# Altium PCB 2015_BeaconEye.PcbDoc (part 1 of 2) (continued)
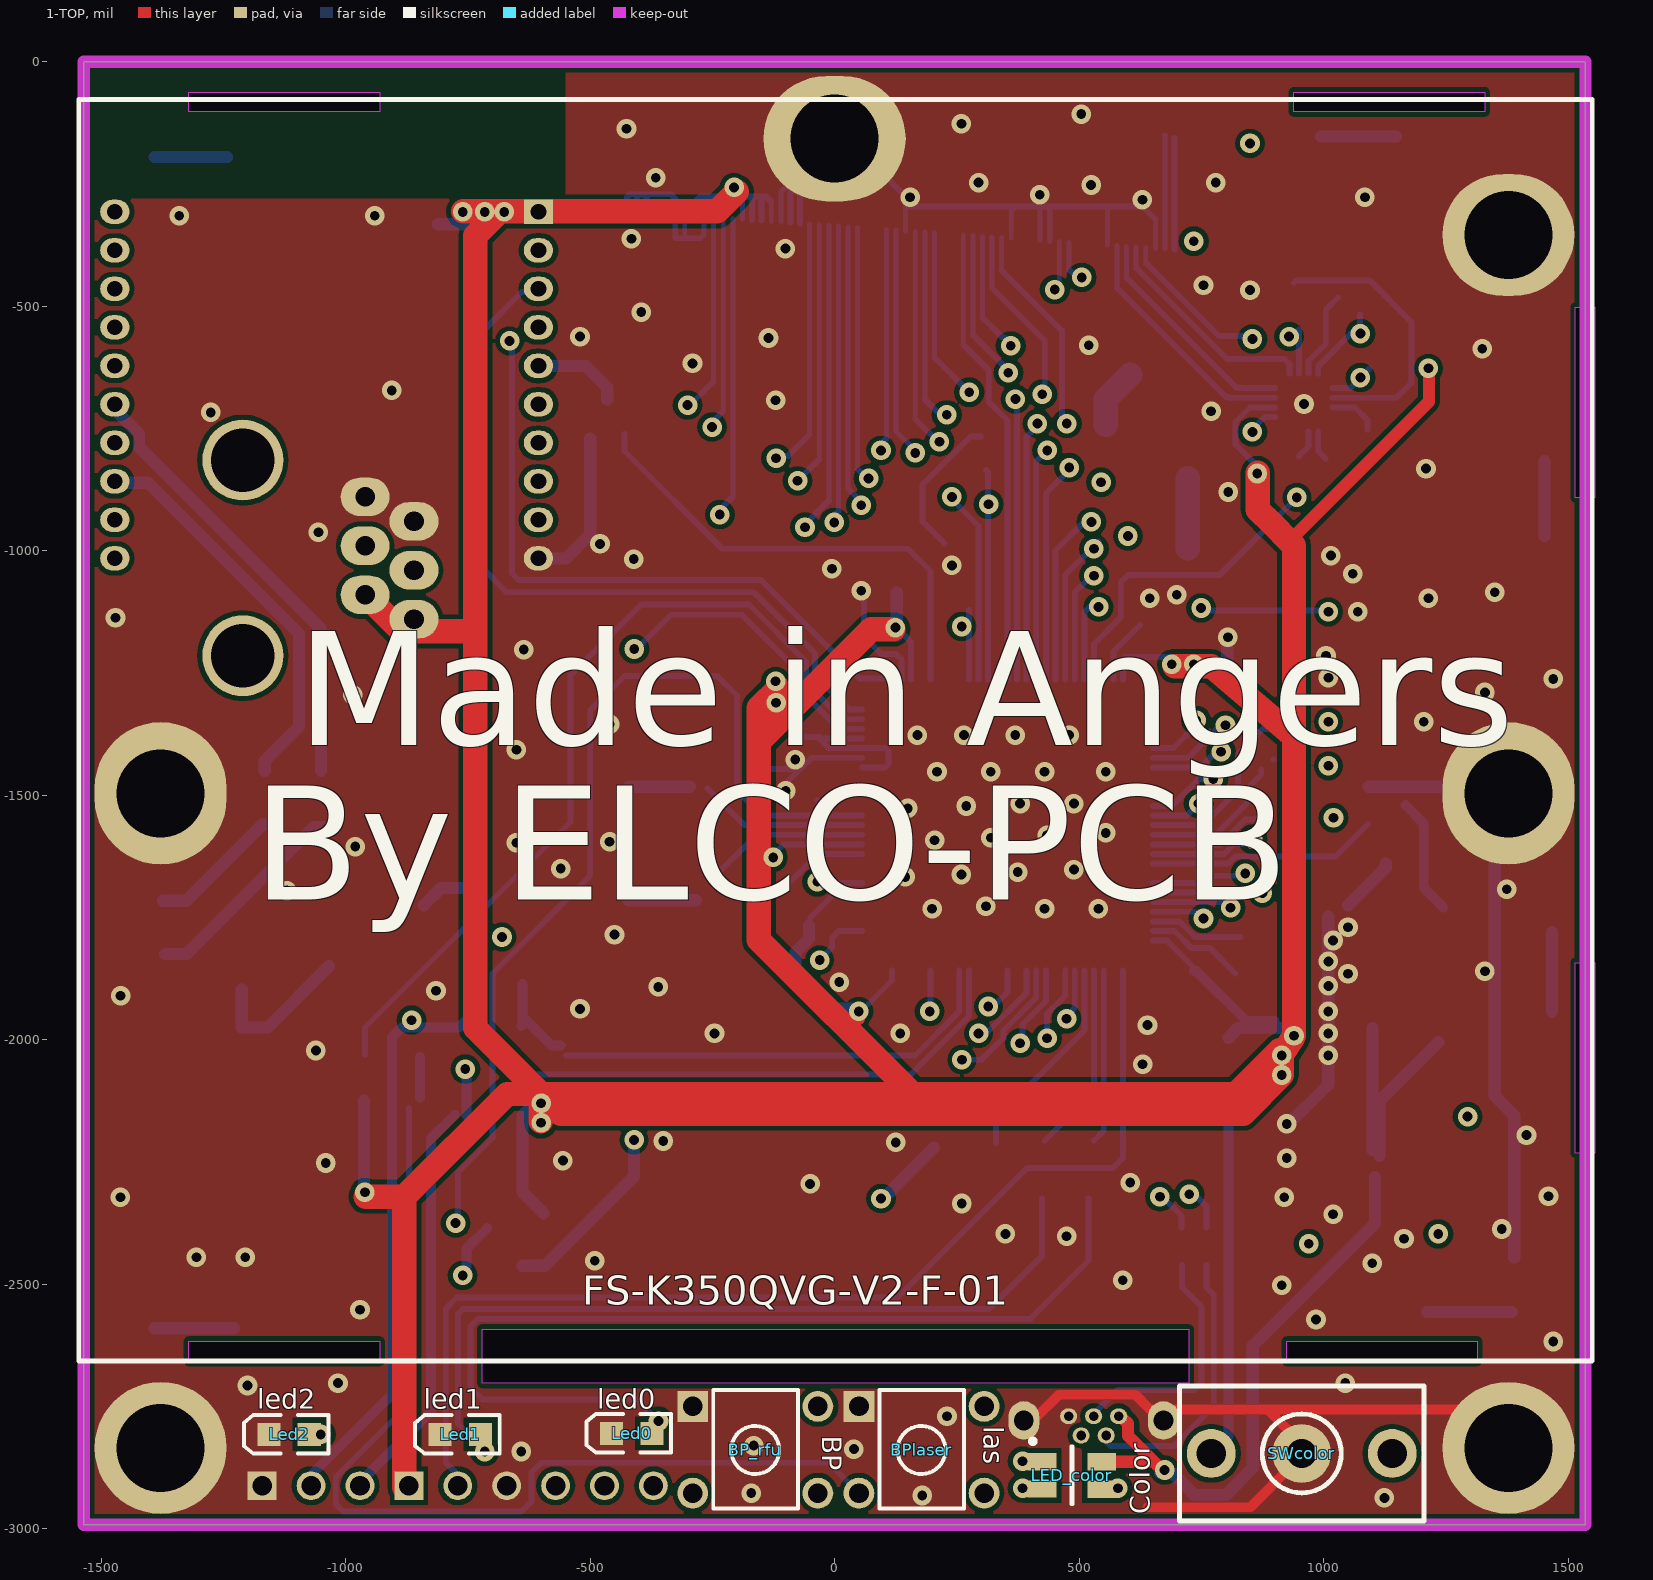
[diagram p0: 1-TOP view]
## Design rules (kind name [scope] priority, off if disabled: settings)
Clearance Clearance_3 [InNamedPolygon('4-GND') Or  InNamedPolygon('GND_TOP') Or  InNamedPolygon('2-GND') Or  InNamedPolygon('3-GND')] p1: gap=10
Clearance Clearance_2 [InNamedPolygon('4-GND') Or  InNamedPolygon('2-GND') Or  InNamedPolygon('3-GND') Or  InNamedPolygon('1-GND') Or  InNamedPolygon('2-GND24')] p2: gap=10
Clearance Clearance_1 [InNamedPolygon('2-GND') Or  InNamedPolygon('3-GND') Or  InNamedPolygon('1-GND') Or  InNamedPolygon('4-GND')] p3: gap=10
Clearance [All] p4: gap=7
FabricationTestpoint [(IsPad And (OnTopLayer Or OnBottomLayer))] p1: side=3 testpointundercomponent=TRUE minsize=40 maxsize=100 preferedsize=60 minholesize=0 maxholesize=40 preferedholesize=32 testpointgrid=1 allowsidetop=TRUE allowsidebottom=TRUE usegrid=TRUE gridtolerance=0.01
HoleSize [All] p1: absolutevalues=TRUE maxlimit=200 minlimit=1 maxpercent=80.000 minpercent=20.000
PlaneConnect [All] p1: planeconnectstyle=Direct reliefexpansion=20 reliefentries=4 reliefconductorwidth=10 reliefairgap=10
PolygonConnect [All] p1: connectstyle=Direct reliefconductorwidth=10 reliefentries=4 polygonreliefangle="90 Angle" airgapwidth=10
RoomDefinition 2015_BeaconEye [InComponentClass('2015_BeaconEye')] p1: confinementstyle=ConfineIn formatcopy=TRUE lockcomponents=FALSE outline 3234.92,-2391.14 2704.92,-2391.14 2704.92,-1841.14 3234.92,-1841.14
RoutingVias [All] p1: holewidth=28 width=50 viastyle="Through Hole" minholewidth=28 minwidth=50 maxholewidth=28 maxwidth=50
SilkToSolderMaskClearance SilkscreenOverComponentPads [IsPad] p1: minsilkscreentomaskgap=10 clearancetoexposedcopper=TRUE
SolderMaskExpansion [All] p1: expansion=4
Width [All] p1: maxlimit=200 minlimit=10 preferedwidth=15
25 further rules are at their usual default settings.

## Components (designator, comment, footprint, x,y, rotation, side; value= is the part's Value field where it differs from the comment)
BP_rfu "SW_Pushbutton_6x6mm_Vertical" "Switch 6x6 Vertical" -290,-2750 r0 top
BPlaser "SW_Pushbutton_6x6mm_Vertical" "Switch 6x6 Vertical" 50,-2750 r0 top
C46 "17pF" C0805_N -421.42,-1681.14 r270 bottom
C47 "17pF" C0805_N -421.42,-1516.14 r90 bottom
C49 "2.2uF" C0805_N 644.57,-1132.13 r270 bottom
C50 "2.2uF" C0805_N 830,-1825 r90 bottom
Cd0 "100nF" C0805_N 90.43,-1951.06 r180 bottom
Cd1 "100nF" C0805_N 769.57,-1192.13 r180 bottom
Cd2 "100nF" C0805_N 725,-1905 r90 bottom
Cd3 "100nF" C0805_N 93.58,-1166.14 r0 bottom
Cd3V_1 "4.7u" C0805_N 955.43,-2076.06 r180 bottom
Cd4 "100nF" C0805_N 769.57,-1272.13 r180 bottom
Cd5 "1nF" C0805_N -174.57,-1231.06 r315 bottom
Cd6 "1nF" C0805_N -85.43,-1767.13 r0 bottom
Cd7 "1nF" C0805_N -114.57,-1656.06 r90 bottom
Cd8 "1nF" C0805_N -109.57,-1381.06 r90 bottom
Cd9 "1nF" C0805_N 93.58,-1086.14 r0 bottom
Cd_Xb_1 "1uF" C0805_N -789.57,-366.06 r90 bottom
Cd_Xb_2 "10pF" C0805_N -707.87,-365.98 r90 bottom
CdLaser "4.7u" C0805_N 1310,-2085 r180 bottom
Cdtac0 "100nF" C0805_N 1014.57,-467.13 r90 bottom
Cdtac1 "100nF" C0805_N 904.57,-827.13 r180 bottom
CdUsb "2.2uF" C0805_N 650,-2910 r270 bottom
Cfadc8 "100n" C0805_N 240,-950 r90 bottom
Cfadc9 "100n" C0805_N 300,-800 r270 bottom
CfBP "100nF" C0805_N -339.57,-1201.06 r180 bottom
CfLaser "100nF" C0805_N -505,-1170 r270 bottom
CfSWcolor "100nF" C0805_N 250,-1095 r270 bottom
Cnrst "100nF" C0805_N -64.57,-1491.06 r0 bottom
Cp1 "1nF" C1206_N -1390,-2545 r270 bottom
Cp2 "1nF" C1206_N 1385,-2500 r270 bottom
Cp3 "1nF" C1206_N 1410,-1780 r0 bottom
Cp4 "1nF" C1206_N 1395,-970 r0 bottom
Cp5 "1nF" C1206_N 995,-210 r90 bottom
Cp6 "1nF" C1206_N -1380,-260 r90 bottom
DAssociateXbee "LED Jaune" LED_0805 -1410,-1825 r180 bottom
DXbee "LED Verte" LED_0805 -1414.57,-1716.06 r180 bottom
J_lcd "LCD_Tactile_from DM_LCD_35RT_3D_COMPONENT" LCD_FS-K350QVG-V2-F-01 -1535.43,-2657.13 r0 top
J_lcd_zif "MOLEX_ZIF60_0512966094" ZIF60_0.5MM 734.57,-387.13 r176 bottom locked
Led0 "LED Rouge" LED_0805 -415,-2805 r180 top
Led1 "LED Verte" LED_0805 -765.43,-2807.13 r180 top
Led2 "LED Bleu" LED_0805 -1115.43,-2807.13 r180 top
LED_color "150141M173100" 3528 485.43,-2891.06 r0 top
P1 "ProgSWD" HDR1X6 -870.43,-2912.13 r0 bottom
P_5V "Pad_CMS" PAD_CMS_5.08x2.54 1114.57,-2237.13 r90 bottom
P_24V "Pad_CMS" PAD_CMS_5.08x2.54 1294.57,-2242.13 r90 bottom
P_ADC8 "Pad_CMS" PAD_CMS_5.08x2.54 645,-650 r135 bottom
P_ADC9 "Pad_CMS" PAD_CMS_5.08x2.54 710,-845 r45 bottom
P_GND "Pad_CMS" PAD_CMS_5.08x2.54 924.57,-2237.13 r90 bottom
P_LASER+ "Pad_CMS" PAD_CMS_5.08x2.54 1240,-1985 r270 bottom
P_LASER- "Pad_CMS" PAD_CMS_5.08x2.54 1240,-1755 r270 bottom
Q? "Transistor MOSFET-N" SOT23-3N 1130,-1520 r0 bottom
QXbee "Transistor MOSFET-N" SOT23-3N -464.57,-726.06 r90 bottom
RAssociateXbee "1k" R1206_N -1065,-1500 r270 bottom
RBlue "100" R1206_N 954.57,-1522.13 r0 bottom
Reg_20mA "NSI45020A" SOD123 744.57,-152.13 r180 bottom
Rfadc8 "10K" R1206_N 555,-800 r90 bottom
Rfadc9 "10K" R1206_N 665,-995 r0 bottom
RGreen "470" R1206_N 954.57,-1337.13 r0 bottom
Rled0 "150" R1206_N 519.57,-2267.13 r90 bottom
Rled1 "330" R1206_N 424.57,-2267.13 r90 bottom
Rled2 "100" R1206_N 260.43,-2221.06 r0 bottom
Rnrst "100k" R1206_N -694.57,-2256.06 r0 bottom
RpdDin "10k" R1206_N 1149.57,-742.13 r180 bottom
RpdIN1 "100k" R1206_N 1024.57,-882.13 r90 bottom
RpdLaser "100K" R1206_N 1070,-1640 r180 bottom
RpuBP "100K" R1206_N -655,-2365 r0 bottom
RpuINT "10k" R1206_N 929.57,-507.13 r90 bottom
RpuLaser "100K" R1206_N -905,-2125 r180 bottom
RpuSCL "1k" R1206_N 1144.57,-542.13 r0 bottom
RpuSDA "1k" R1206_N 1144.57,-632.13 r0 bottom
RpuSWcolor "100K" R1206_N 810.43,-2061.06 r90 bottom
RpXbee "10k" R1206_N -420.43,-852.13 r180 bottom
Rred "220" R1206_N 954.57,-1427.13 r0 bottom
RsBP "1K" R1206_N -695.43,-2462.13 r0 bottom
RsLaser "1K" R1206_N -905,-2035 r180 bottom
RsSWcolor "1K" R1206_N 890.43,-2421.06 r0 bottom
RXbee "1k" R1206_N -1160,-1500 r270 bottom
StLedK "Goutte Strap_2" "Goutte Strap_2 Pads_Clearance 0.254mm" 1234.57,-2397.13 r180 bottom
STM32 "STM32F407VGT6" STM-LQFP100_N 353.58,-1561.14 r0 bottom
STR_Buz "Buzzer_Murata_PKLCS1212E4001-R1" "Buzzer_Murata PKLCS1212" -1270,-2190 r270 bottom
STR_Cu1rx "100pF" C0805_N -604.57,-1886.06 r180 bottom
STR_Dbuz "BAT54A" SOT23-3N -1175,-1860 r0 bottom
STR_RpuU1rx "10k" R1206_N -550.43,-2072.13 r270 bottom
STR_RpuU1tx "1M" R1206_N -695.43,-2157.13 r0 bottom
STR_RsBuz "1k" R1206_N -715,-1730 r135 bottom
STR_Rsu1rx "1k" R1206_N -695.43,-1967.13 r180 bottom
STR_RsU1tx "100" R1206_N -695.43,-2062.13 r0 bottom
STR_Rvarbuz "RESISTANCE_VARIABLE_TRAVERSANTE : PT10LV" Trimmer_Bourns_3314G -925,-1805 r135 bottom
SWcolor "25436NAH" "SW_UNIPOL_DROIT - APEM 18235" 1205.43,-2986.06 r90 top
U2 "XBee" MODULE_XBEE -605.43,-307.13 r180 bottom
U_tactile "STMPE811QTR" QFN50P300X300X100_HS-17N 959.57,-697.13 r270 bottom
UART "BARRETTE3" HDR1X3 -1170.43,-2912.13 r0 bottom
UART1 "RJ11_6/6" RJ11_6/6 -860,-940 r180 bottom
Ureg_3V "MCP1826S-3302E/DB" SOT223-4N 1009.57,-1862.13 r90 bottom
USB? "USB_B_MINI" USB_MICROAB_VERTICAL 530,-2770 r180 bottom
USB_ESD "USBDF01W5" SOT353_N 735.43,-2421.06 r270 bottom
V1 "Entretoise WURTH CMS" ENTRETOISE_CMS#1 1377.95,-354.33 r180 bottom
V2 "Entretoise WURTH CMS" ENTRETOISE_CMS#2 1377.95,-2834.65 r180 bottom
V3 "Entretoise WURTH CMS" ENTRETOISE_CMS#2 -1377.95,-2834.65 r180 bottom
V4 "Entretoise WURTH CMS" ENTRETOISE_CMS#3 0,-157.48 r180 bottom
V5 "Entretoise WURTH CMS" ENTRETOISE_CMS#4 -1377.95,-1496.06 r180 bottom
V6 "Entretoise WURTH CMS" ENTRETOISE_CMS#4 1377.95,-1496.06 r180 bottom
Y1 "8 MHz" HC49/4H_SMX -281.42,-1581.14 r270 bottom

## Footprints (in the part's own frame and the unit in brackets; to place one, negate y for a bottom-side part, rotate by r counter-clockwise, add the part's x,y. Pads: shape width x height; smd on the part's side, far side on the other; paste and mask are expansions set on the pad)
3528 [mm] "Chip LED, 4-Leads, Body 2.8x3.5mm (max), Pitch 1.42mm, IPC Medium Density"
  rect 1.5x0.9 smd: 1(1.55,0.708) 2(1.55,-0.71) 3(-1.55,0.708) 4(-1.55,-0.708)
  silkscreen extent -2.15,-1.5 0.03,1.9, body extent -2.36,-2.22 2.37,2.22, height 1.87
"Buzzer_Murata PKLCS1212" [mm] "Buzzer_SMD_12x12mm Murata PKLCS1212"
  rect 1.2x4 smd: 1(-5.6,0) 2(5.6,0)
  silkscreen extent -6,-6 6,6, body extent -6.3,-6.1 6.3,6.1, height 3
C0805_N [mm] "Chip Capacitor, Body 2.0x1.3mm, IPC Medium Density"
  rect 1.3x1.5 smd: 1(-0.85,0) 2(0.85,0)
  silkscreen extent -1.8,-0.65 -1.8,0.65, body extent -0.99,-0.63 1.01,0.63, height 0.8
C1206_N [mm] "Chip Capacitor, Body 3.2x1.6mm, IPC Medium Density"
  rect 1.3x1.8 smd: 1(-1.45,0) 2(1.45,0)
  silkscreen extent -0.4,-0.8 0.4,0.8, body extent -1.57,-0.81 1.63,0.79, height 1.02
ENTRETOISE_CMS#1 [mil] "Entretoise CMS Wurth trou 4.4mm"
  oval 270x250 hole 180: 1(0,0)
  silkscreen extent -155,-155 155,155, body extent -118,-118 118,117, height 118
ENTRETOISE_CMS#2 [mil] "Entretoise CMS Wurth trou 4.4mm"
  round 270 hole 180: 1(0,0)
  silkscreen extent -155,-155 155,155, body extent -118,-118 118,117, height 118
ENTRETOISE_CMS#3 [mil] "Entretoise CMS Wurth trou 4.4mm"
  oval 291.34x255.91 hole 180: 1(0,0)
  silkscreen extent -155,-136 -75,131, body extent -118,-118 118,117, height 118
ENTRETOISE_CMS#4 [mil] "Entretoise CMS Wurth trou 4.4mm"
  oval 270x291.34 hole 180: 1(0,0)
  silkscreen extent -155,-155 155,155, body extent -118,-118 118,117, height 118
"Goutte Strap_2 Pads_Clearance 0.254mm" [mil] "Goutte Strap_2 Pads_Clearance 0.254mm"
  rect 50x50 smd mask+7.87: 1(0,0) 2(60,0)
  silkscreen extent -35,-35 95,35
HC49/4H_SMX [mm] "Quartz Crystal, SM; Body 13.4 (inc. leads) x 4.9 mm (LxW max)"
  rect 5.5x2 smd: 1(-4.75,0) 2(4.75,0)
  silkscreen extent -5.7,-2.45 5.7,2.45, body extent -6.7,-2.45 6.7,2.45, height 5.08
HDR1X3 [mm] "Connector; Header; 3 Position"
  rect 1.5x1.5 hole 1.016: 1(0,0)
  round 1.5 hole 1.016: 2(2.54,0) 3(5.08,0)
  silkscreen extent -1.27,-1.27 6.35,1.27
HDR1X6 [mm] "Connector; Header; 6 Position"
  rect 1.5x1.5 hole 1.016: 1(0,0)
  round 1.5 hole 1.016: 2(2.54,0) 3(5.08,0) 4(7.62,0) 5(10.16,0) 6(12.7,0)
  silkscreen extent -1.27,-1.27 13.97,1.27
LCD_FS-K350QVG-V2-F-01 [mil] "FS-K350QVG-V2-F-01"
  rect 275.59x100 smd far side: 1(355,100) 2(2710,100) 5(2725,2495) 6(355,2495)
  rect 100x275.59 smd far side: 3(2990,675) 4(2990,1905)
  Keep-Out Layer board cut-out: 2260,-45 815,-45 815,65 2260,65
  Keep-Out Layer board cut-out: 2460,40 2850,40 2850,0 2460,0
  Keep-Out Layer board cut-out: 215,40 605,40 605,0 215,0
  Keep-Out Layer board cut-out: 3050,425 3050,815 3090,815 3090,425
  Keep-Out Layer board cut-out: 3090,2155 3090,1765 3050,1765 3050,2155
  Keep-Out Layer board cut-out: 2865,2555 2475,2555 2475,2595 2865,2595
  Keep-Out Layer board cut-out: 3050,1765 3050,2155 3090,2155 3090,1765
  Keep-Out Layer board cut-out: 605,2555 215,2555 215,2595 605,2595
  silkscreen extent -10,0 3085,2580, body extent -5,-40 3085,2584, height 193
LED_0805 [mm] "SM LED; 2 Flat Leads"
  rect 1.2x1.2 smd: 1(-1.05,0) 2(1.05,0)
  silkscreen extent -2.05,-1 2.35,1, body extent -1.05,-0.64 1.06,0.64, height 1.2
MODULE_XBEE [mil] "XBee Series 2 OEM RF Modules"
  rect 60x50 hole 32: 1(0,0)
  oval 60x50 hole 32: 2(0,-78.74) 3(0,-157.48) 4(0,-236.22) 5(0,-314.96) 6(0,-393.7) 7(0,-472.44) 8(0,-551.18) 9(0,-629.92) 10(0,-708.66) 11(866.14,-708.66) 12(866.14,-629.92) 13(866.14,-551.18) 14(866.14,-472.44) 15(866.14,-393.7) 16(866.14,-314.96) 17(866.14,-236.22) 18(866.14,-157.48) 19(866.14,-78.74) 20(866.14,0)
  silkscreen extent -48,-1016 914,299, body extent -43,-992 917,305, height 343
PAD_CMS_5.08x2.54 [mil] "Pad pour souder un fil"
  oval 200x100 smd paste+0.2: 1(0,0)
  silkscreen extent -108,-59 109,59, body extent -85,-30 84,30, height 10
QFN50P300X300X100_HS-17N [mm] "QFN, 16-Leads, Body 3,00x3,00mm, Pitch 0,50mm, Thermal Pad 1,80x1,80mm, IPC Medium Density"
  rect 0.8x0.3 smd: 1(-1.5,0.75) 2(-1.5,0.25) 3(-1.5,-0.25) 4(-1.5,-0.75) 9(1.5,-0.75) 10(1.5,-0.25) 11(1.5,0.25) 12(1.5,0.75)
  rect 0.3x0.8 smd: 5(-0.75,-1.5) 6(-0.25,-1.5) 7(0.25,-1.5) 8(0.75,-1.5) 13(0.75,1.5) 14(0.25,1.5) 15(-0.25,1.5) 16(-0.75,1.5)
  rect 1.5x1.5 smd: 17(0,0)
  silkscreen extent -2.5,-1.73 1.73,1.73, body extent -1.58,-1.58 1.58,1.58, height 1
R1206_N [mm] "Chip Resistor, Body 3.2x1.6mm, IPC Medium Density"
  rect 1.3x1.8 smd: 1(-1.45,0) 2(1.45,0)
  silkscreen extent -0.4,-0.8 0.4,0.8, body extent -1.68,-0.87 1.68,0.87, height 0.71
RJ11_6/6 [mm] "Connector; RJ11; 6P/6C; Low Profil; Right Angle; Pin Spacing=2.54mm"
  oval 2.54x2 hole 1.016: 1(0,-5.08) 2(2.54,-3.82) 3(0,-2.54) 4(2.54,-1.27) 5(0,0) 6(2.54,1.27)
  round 4.2 hole 3.302: FIX1(8.89,3.18) FIX2(8.89,-6.98)
  silkscreen extent -1.51,-8.51 16.59,4.7
SOD123 [mm] "SOD-123; 2 Leads; Body 2.7 x 1.6 mm, (LxW)"
  rect 1.6x0.8 smd: 1(-1.7,0) 2(1.7,0)
  silkscreen extent -1.45,-0.85 1.45,0.85, body extent -1.85,-0.81 1.85,0.79, height 1.27
SOT23-3N [mm] "SOT23, 3-Leads, Body 2.9x1.3mm, Pitch 0.95mm, Lead Span 2.5mm, IPC Medium Density"
  rect 1.5x0.6 smd: 1(-0.95,0.95) 2(-0.95,-0.95) 3(0.95,0)
  silkscreen extent -1.07,-1.5 0.7,1.92, body extent -1.24,-1.5 1.23,1.5, height 1.1
SOT223-4N [mm] "SOT223/SC73, 4-Leads, Body 6.5x3.5mm, Pitch 2.3mm, Lead Span 7mm, IPC Medium Density"
  rect 2.4x1 smd: 1(-2.9,2.3) 2(-2.9,0) 3(-2.9,-2.3)
  rect 2.4x3.3 smd: 4(2.9,0)
  silkscreen extent -3.02,-3.35 1.4,3.48, body extent -3.39,-3.35 3.5,3.35, height 1.8
SOT353_N [mm] "SOT353, 5-Leads, Body 2x1.3mm, Pitch 0.65mm, Lead Span 2.1mm, IPC Medium Density"
  rect 1x0.35 smd: 1(-0.95,0.65) 2(-0.95,0) 3(-0.95,-0.65) 4(0.95,-0.65) 5(0.95,0.65)
  silkscreen extent -1.07,-1.1 0.15,1.52, body extent -1.04,-1.1 1.06,1.1, height 1.1
STM-LQFP100_N [mm] "Thin QFP, 100-Leads, Body 14x14mm, Pitch 0.5mm, IPC Medium Density"
  oval 1.8x0.3 smd: 1(-7.55,6) 2(-7.55,5.5) 3(-7.55,5) 4(-7.55,4.5) 5(-7.55,4) 6(-7.55,3.5) 7(-7.55,3) 8(-7.55,2.5) 9(-7.55,2) 10(-7.55,1.5) 11(-7.55,1) 12(-7.55,0.5) 13(-7.55,0) 14(-7.55,-0.5) 15(-7.55,-1) 16(-7.55,-1.5) 17(-7.55,-2) 18(-7.55,-2.5) 19(-7.55,-3) 20(-7.55,-3.5) 21(-7.55,-4) 22(-7.55,-4.5) 23(-7.55,-5) 24(-7.55,-5.5) 25(-7.55,-6) 51(7.55,-6) 52(7.55,-5.5) 53(7.55,-5) 54(7.55,-4.5) 55(7.55,-4) 56(7.55,-3.5) 57(7.55,-3) 58(7.55,-2.5) 59(7.55,-2) 60(7.55,-1.5) 61(7.55,-1) 62(7.55,-0.5) 63(7.55,0) 64(7.55,0.5) 65(7.55,1) 66(7.55,1.5) 67(7.55,2) 68(7.55,2.5) 69(7.55,3) 70(7.55,3.5) 71(7.55,4) 72(7.55,4.5) 73(7.55,5) 74(7.55,5.5) 75(7.55,6)
  oval 0.3x1.8 smd: 26(-6,-7.55) 27(-5.5,-7.55) 28(-5,-7.55) 29(-4.5,-7.55) 30(-4,-7.55) 31(-3.5,-7.55) 32(-3,-7.55) 33(-2.5,-7.55) 34(-2,-7.55) 35(-1.5,-7.55) 36(-1,-7.55) 37(-0.5,-7.55) 38(0,-7.55) 39(0.5,-7.55) 40(1,-7.55) 41(1.5,-7.55) 42(2,-7.55) 43(2.5,-7.55) 44(3,-7.55) 45(3.5,-7.55) 46(4,-7.55) 47(4.5,-7.55) 48(5,-7.55) 49(5.5,-7.55) 50(6,-7.55) 76(6,7.55) 77(5.5,7.55) 78(5,7.55) 79(4.5,7.55) 80(4,7.55) 81(3.5,7.55) 82(3,7.55) 83(2.5,7.55) 84(2,7.55) 85(1.5,7.55) 86(1,7.55) 87(0.5,7.55) 88(0,7.55) 89(-0.5,7.55) 90(-1,7.55) 91(-1.5,7.55) 92(-2,7.55) 93(-2.5,7.55) 94(-3,7.55) 95(-3.5,7.55) 96(-4,7.55) 97(-4.5,7.55) 98(-5,7.55) 99(-5.5,7.55) 100(-6,7.55)
  silkscreen extent -7.67,-6.25 6.25,6.82, body extent -7,-7 7,7, height 1.6
"SW_UNIPOL_DROIT - APEM 18235" [mil]
  round 120 hole 60: COMMON1(140,250)
  round 100 hole 60: NC1(140,435.04) NO1(140,64.96)
  silkscreen extent 2,0 278,500, body extent -10,4 285,496, height 449
"Switch 6x6 Vertical" [mm]
  rect 1.6x1.6 hole 1.016: 1(0,0)
  round 1.6 hole 1.016: 2(6.5,0) 3(0,-4.5) 4(6.5,-4.5)
  silkscreen extent 1.07,-5.31 5.46,0.86, body extent -0.71,-5.34 7.19,0.86, height 7
Trimmer_Bourns_3314G [mm] "Trimmer monotour, Bourns,serie 3314P"
  rect 1.3x1.3 smd: 1(-1.15,-2.75) 3(1.15,-2.75)
  rect 2.3x1.3 smd: 2(0,2.75)
  silkscreen extent -2.5,-2.25 2.5,3.76, body extent -2.46,-3.1 2.54,3.1, height 2.55
USB_MICROAB_VERTICAL [mil]
  oval 35x32 hole 20: 1(-51.18,0) 2(-25.59,-39.37) 3(0,0) 4(25.59,-39.37) 5(51.18,0)
  oval 62.99x78.74 hole 40: 6(-142.72,-8.66) 6(142.72,-8.66)
  silkscreen extent -174,-68 176,51, body extent -206,-170 1798,145, height 951
ZIF60_0.5MM [mm] "Molex ZIF 60 pins, pitch 0.5mm"
  rect 0.3x0.8 smd: 1(0,0) 2(0.5,0) 3(1,0) 4(1.5,0) 5(2,0) 6(2.5,0) 7(3,0) 8(3.5,0) 9(4,0) 10(4.5,0) 11(5,0) 12(5.5,0) 13(6,0) 14(6.5,0) 15(7,0) 16(7.5,0) 17(8,0) 18(8.5,0) 19(9,0) 20(9.5,0) 21(10,0) 22(10.5,0) 23(11,0) 24(11.5,0) 25(12,0) 26(12.5,0) 27(13,0) 28(13.5,0) 29(14,0) 30(14.5,0) 31(15,0) 32(15.5,0) 33(16,0) 34(16.5,0) 35(17,0) 36(17.5,0) 37(18,0) 38(18.5,0) 39(19,0) 40(19.5,0) 41(20,0) 42(20.5,0) 43(21,0) 44(21.5,0) 45(22,0) 46(22.5,0) 47(23,0) 48(23.5,0) 49(24,0) 50(24.5,0) 51(25,0) 52(25.5,0) 53(26,0) 54(26.5,0) 55(27,0) 56(27.5,0) 57(28,0) 58(28.5,0) 59(29,0) 60(29.5,0)
  silkscreen extent -2.08,-4.06 31.57,1.47, body extent -2.1,-4.05 31.6,0.24, height 1.25

## Part data
BP_rfu BPlaser: "Switch tactil 6mm x 6mm Vertical"
C46 C47 C49 C50 Cd0 Cd1 Cd2 Cd3 Cd4 Cd5 Cd6 Cd7 Cd8 Cd9 Cd_Xb_1 Cd_Xb_2 Cdtac0 Cdtac1 CdUsb CfBP CfLaser CfSWcolor Cnrst Cp1 Cp2 Cp3 Cp4 Cp5 Cp6 STR_Cu1rx: library part Condensateur, "Capacitor"
Cd3V_1 CdLaser Cfadc8 Cfadc9: library part Capacitor, "Capacitor"
DAssociateXbee DXbee Led0 Led1 Led2: library part LED, "Typical LED"
J_lcd: "Header for ZIF cable, 60-Pin, pitch 0.5mm"
J_lcd_zif: library part "LCD_Tactile_from DM_LCD_35RT", "Header for ZIF cable, 60-Pin, pitch 0.5mm"
LED_color: library part "WL-SFTW 3528 150141M173100", "SMD Full-Color Top LED, WL-SFTW, Red & Green & Blue"
P1: library part "Header 6", "Header, 6-Pin"
P_5V P_24V P_ADC8 P_ADC9 P_GND P_LASER+ P_LASER-: "Pad pour souder un fil"
Q? QXbee: "N-Channel MOSFET"
RAssociateXbee RBlue Rfadc8 Rfadc9 RGreen Rled0 Rled1 Rled2 Rnrst RpdDin RpdIN1 RpdLaser RpuBP RpuINT RpuLaser RpuSCL RpuSDA RpuSWcolor RpXbee Rred RsBP RsLaser RsSWcolor RXbee STR_RpuU1rx STR_RpuU1tx STR_RsBuz STR_Rsu1rx STR_RsU1tx: library part Resistor, "Resistor"
Reg_20mA: library part 1N4697, "DIODE_Zener"
STM32: "ARM Cortex-M4 32-bit MCU+FPU, 210 DMIPS, 1024 kB Flash, 192 kB Internal RAM, 82 I/Os, 100-pin LQFP, -40 to 85 degC, Tray"
STR_Dbuz: library part "Diode Shottky double  BAT54A", "DIODE SCHOTTKY DOUBLE"
STR_Rvarbuz: "RESISTANCE VARIABLE_TRAVERSANTE : PT10LV"
SWcolor: library part "SW SPDT- APEM Série 523x", "Switch unipolaire a levier"
U_tactile: "STMPE811QTR S-Touch advanced resistive touchscreen controller"
UART: "Header, 3-Pin"
UART1: "Right Angle, Standard Profile, Offset Latch DECconnect, Flangeless PCB Jack"
Ureg_3V: "1000 mA, Low Voltage, Low Quiescent Current LDO Regulator, 3-Pin SOT-223, Extended Temperature"
USB?: "Connector; USB; Type B; miniature; Pin Spacing=0.8mm"
USB_ESD: "USB protection ESD"
V1 V2 V3 V4 V5 V6: "Entretoise Wurth"
Y1: library part Quartz, "Crystal Oscillator"

## Via types
v1: diameter 40, hole 20, 1-TOP to 4-BOT, 248 vias

## Nets (pads, with @x,y where several pads share a name; then routed paths per layer and width w, separated by ;. In a path a pad name is that pad's centre, name@x,y a point inside that pad or via, vN(x,y) a via of type N, cw(c..) or ccw(c..) an arc to the next point about the centre after c; other vN are vias at no path point)
3V3: Cd0.2 Cd1.2 Cd2.2 Cd3.2 Cd3V_1.2 Cd4.2 Cd5.2 Cd6.2 Cd7.2 Cd8.2 Cd9.2 Cd_Xb_1.2 Cd_Xb_2.2 Cdtac0.2 Cdtac1.2 J_lcd_zif.45 J_lcd_zif.46 J_lcd_zif.47 J_lcd_zif.48 J_lcd_zif.53 P1.1 Rnrst.2 RpuBP.2 RpuINT.2 RpuLaser.2 RpuSCL.2 RpuSDA.2 RpuSWcolor.2 STM32.6 STM32.11 STM32.19 STM32.21 STM32.22 STM32.28 STM32.50 STM32.75 STM32.100 STR_RpuU1rx.2 STR_RpuU1tx.2 U2.1 U_tactile.6 U_tactile.14 UART1.1 UART1.2 Ureg_3V.3 | length 13848.8
  1-TOP w25: 30.43,-1976.06 49.57,-1956.93 v1(49.57,-1942.13) ; 930.32,-980.31 1215.43,-695.2 v1@1215.43,-631.06
  1-TOP w50: UART1.2@-960,-1090.39 -885.39,-1165 -734.57,-1165 ; v1@-958.94,-2321.06 -879.57,-2321.06 ; P1.1@-879.57,-2915 -879.57,-2321.06 ; v1@-759.57,-306.06 v1@-684.57,-306.06 ; v1@-600.43,-2167.13 v1@-600.43,-2125.2 ; v1@-199.57,-266.06 -239.57,-306.06 v1@-684.57,-306.06 ; v1@-114.57,-1281.06 -154.57,-1321.06 -154.57,-1391.06 ; v1@120.43,-1161.06 75.43,-1161.06 -154.57,-1391.06 ; v1@695.43,-1236.06 770.43,-1236.06 939.57,-1380.2 ; v1@865.43,-841.06 865.43,-916.06 894.68,-945.31 ; 895,-945 930.32,-980.31 939.57,-989.57 939.57,-1380.2 ; v1@910.43,-2021.06 820.43,-2111.06 160.43,-2111.06 ; -879.57,-2321.06 -669.57,-2111.06 v1@-599.57,-2111.06 ; -734.57,-1165 -734.57,-356.06 v1@-684.57,-306.06 ; -734.57,-1165 -734.57,-1976.06 v1@-599.57,-2111.06 ; v1@-599.57,-2111.06 160.43,-2111.06 ; v1@-599.57,-2111.06 -559.57,-2151.06 835.63,-2151.06 v1(914.57,-2072.13) v1(914.57,-2032.13) v1(939.57,-1992.13) 939.57,-1380.2 ; -154.57,-1391.06 -154.57,-1796.06 160.43,-2111.06
  4-BOT w10: J_lcd_zif.53@-286.56,-315.72 -286.56,-288.06 ; J_lcd_zif.48@-188.38,-322.59 -188.38,-277.25 ; J_lcd_zif.45@-129.47,-326.71 -129.47,-286.16
  4-BOT w12: -286.56,-288.06 -274.57,-276.06 -139.57,-276.06 -129.47,-286.16 ; J_lcd_zif.47@-168.74,-323.96 -168.74,-276.89 ; J_lcd_zif.46@-149.1,-325.33 -149.1,-276.53 ; Cd7.2@-114.57,-1611.06 -104.02,-1600.51 STM32.11@56.34,-1600.51 ; Cd8.2@-96.65,-1346.06 -94.57,-1346.06 -59.57,-1381.06 -29.57,-1381.06 -26.65,-1383.98 STM32.22@56.34,-1383.98 ; Cd6.2@-49.57,-1751.06 2.56,-1698.94 STM32.6@56.34,-1698.94 ; -31.65,-1383.98 -11.97,-1403.66 STM32.21@56.34,-1403.66 103.03,-1403.66 110.43,-1411.06 110.43,-1436.06 103.46,-1443.03 STM32.19@56.34,-1443.03 ; Cd0.2@70.43,-1926.06 117.36,-1879.13 STM32.100@117.36,-1858.39 ; Cd3.2@140.43,-1171.06 156.73,-1187.36 STM32.28@156.73,-1263.9 ; STM32.50@589.8,-1263.9 589.8,-1221.89 594.57,-1217.13 v1@689.57,-1217.13 ; STM32.75@650.83,-1797.36 679.8,-1797.36 Cd2.2@729.57,-1847.13 ; Cdtac1.2@864.57,-827.13 820,-782.56 820,-736.69 849.72,-706.97 U_tactile.14@900.51,-706.97 ; RpuINT.2@939.57,-452.13 944.57,-447.13 1094.57,-447.13 1179.57,-532.13 1179.57,-657.13 1149.41,-687.28 U_tactile.6@1018.62,-687.28
  4-BOT w20: Cd2.2@734.57,-1858.66 738.66,-1858.66 841.06,-1961.06 Ureg_3V.3@900.43,-1961.06
  4-BOT w25: v1@-962.09,-2312.91 RpuLaser.2@-962.09,-2125 ; Cd_Xb_1.2@-810.55,-332.52 Cd_Xb_2.2@-707.87,-332.52 ; v1@-600.43,-2141.06 -624.57,-2141.06 -638.35,-2154.84 STR_RpuU1tx.2@-638.35,-2157.13 -638.35,-2311.65 RpuBP.2@-595,-2355 ; Cd6.2@-51.97,-1767.13 -51.97,-1793.46 -79.57,-1821.06 -79.57,-1856.06 0.43,-1936.06 Cd0.2@49.57,-1936.06 ; Cd3.2@127.05,-1174.45 Cd3.2@127.05,-1166.14 Cd9.2@127.05,-1086.14 ; RpuSWcolor.2@805.43,-1996.06 825.2,-1976.3 Ureg_3V.3@914.57,-1976.3
  other v1: -960.43,-2312.13 -600,-2170 -600,-2130 -125.43,-1627.13 -119.57,-1311.06 -120.43,-1267.13 689.57,-1232.13 734.57,-1232.13 124.57,-1157.13 864.57,-842.13 1214.57,-627.13 -760.43,-307.13 -715.43,-307.13 -675.43,-307.13 -205.43,-257.13
5V: CdLaser.2 CdUsb.1 LED_color.1 P_5V.1 P_LASER+.1 Ureg_3V.1 USB?.1 | length 1682.2
  1-TOP w25: LED_color.1@546.46,-2863.21 643.21,-2863.21 ; USB?.1@590,-2775 600,-2785 600,-2810 v1@660,-2870
  4-BOT w25: CdUsb.1@665.43,-2886.06 691.06,-2886.06 736.06,-2931.06 800.43,-2931.06 855.43,-2876.06 855.43,-2626.06 1105.43,-2376.06 P_5V.1@1105.43,-2281.06 ; P_5V.1@1100.12,-2225.75 Ureg_3V.1@1100.12,-1976.3 ; P_5V.1@1114.57,-2237.13 1114.57,-2125.43 P_LASER+.1@1235,-2005
  other v1: 675,-2880
24V: P_24V.1 Reg_20mA.1 | length 2187.3
  2-SIGNAL w25: v1(849.57,-167.13) 851.5,-167.13 1160.43,-476.06 1160.43,-2025.43 1291.06,-2156.06 v1@1305.43,-2156.06
  other v1: 1294.57,-2157.13
GND: BP_rfu.1 BPlaser.1 C46.1 C47.1 C49.1 C50.1 Cd0.1 Cd1.1 Cd2.1 Cd3.1 Cd3V_1.1 Cd4.1 Cd5.1 Cd6.1 Cd7.1 Cd8.1 Cd9.1 Cd_Xb_1.1 Cd_Xb_2.1 CdLaser.1 Cdtac0.1 Cdtac1.1 CdUsb.2 Cfadc8.1 Cfadc9.1 CfBP.1 CfLaser.1 CfSWcolor.1 Cnrst.1 Cp1.1 Cp2.1 Cp3.1 Cp4.1 Cp5.1 Cp6.1 DAssociateXbee.2 DXbee.2 J_lcd_zif.5 J_lcd_zif.10 J_lcd_zif.16 J_lcd_zif.17 J_lcd_zif.20 J_lcd_zif.31 J_lcd_zif.42 J_lcd_zif.43 J_lcd_zif.44 J_lcd_zif.52 J_lcd_zif.54 J_lcd_zif.55 J_lcd_zif.58 J_lcd_zif.59 J_lcd_zif.60 Led0.2 Led1.2 Led2.2 P1.3 P_GND.1 Q?.2 QXbee.2 RpdDin.1 RpdIN1.1 RpdLaser.1 RpXbee.2 StLedK.2 STM32.10 STM32.20 STM32.27 STM32.74 STM32.94 STM32.99 STR_Buz.2 STR_Cu1rx.1 STR_Dbuz.3 SWcolor.COMMON1 U2.10 U_tactile.3 U_tactile.10 U_tactile.17 UART1.5 UART1.6 UART.1 Ureg_3V.2 Ureg_3V.4 USB?.5 USB?.6 USB_ESD.2 V1.1 V2.1 V3.1 V4.1 V5.1 V6.1 | length 6875.5
  1-TOP w20: USB?.6@375.43,-2776.06 408.94,-2776.06 458.94,-2726.06 615.43,-2726.06 645.43,-2756.06 885.43,-2756.06 ; 640,-2956.06 850.43,-2956.06 SWcolor.COMMON1@935.43,-2871.06 ; SWcolor.COMMON1@940.43,-2811.06 885.43,-2756.06 ; V2.1@1335.43,-2756.06 885.43,-2756.06
  4-BOT w10: J_lcd_zif.55@-325.84,-312.98 -325.84,-279.79 ; -306.2,-357.69 J_lcd_zif.54@-306.2,-314.35 ; -274.57,-361.06 -266.92,-353.42 J_lcd_zif.52@-266.92,-317.09 ; J_lcd_zif.44@-109.83,-328.08 -109.83,-266.32 ; J_lcd_zif.31@145.45,-345.93 v1@145.45,-276.08 ; J_lcd_zif.20@361.46,-361.04 361.46,-305.03 ; J_lcd_zif.17@420.37,-365.16 420.37,-296.12 ; J_lcd_zif.10@557.83,-374.77 557.83,-298.46 ; J_lcd_zif.5@656.02,-381.63 656.02,-321.65
  4-BOT w12: J_lcd_zif.60@-424.02,-306.11 -424.02,-276.61 -418.48,-271.06 -399.57,-271.06 ; C46.1@-421.42,-1647.91 C46.1@-421.42,-1647.68 C47.1@-421.42,-1549.61 ; J_lcd_zif.59@-404.38,-307.48 -404.38,-271.25 -384.75,-271.25 ; J_lcd_zif.58@-384.75,-308.86 -384.75,-271.24 ; J_lcd_zif.55@-325.84,-312.98 -325.84,-359.79 -324.57,-361.06 -274.57,-361.06 ; -325.84,-279.79 -334.57,-271.06 -384.57,-271.06 -384.75,-271.24 ; -169.57,-1351.06 -169.57,-1416.06 -139.57,-1446.06 -69.57,-1446.06 ; -109.83,-266.32 V4.1@-89.57,-246.06 ; Cd7.1@-104.57,-1691.06 -33.7,-1620.2 STM32.10@56.34,-1620.2 ; Cnrst.1@-104.57,-1481.06 -69.57,-1446.06 ; J_lcd_zif.43@-90.19,-329.45 V4.1@-90.19,-256.69 ; J_lcd_zif.42@-70.55,-330.83 V4.1@-70.55,-242.05 ; STM32.20@56.34,-1423.35 -46.85,-1423.35 -69.57,-1446.06 ; Cd3.1@60.12,-1165.75 Cd9.1@60.12,-1086.14 ; Cd3.1@65.43,-1181.06 95.43,-1211.06 125.43,-1211.06 137.05,-1222.68 STM32.27@137.05,-1263.9 ; V4.1@100.43,-231.06 v1@145.45,-276.08 ; v1@150.43,-296.06 370.43,-296.06 ; Cfadc8.1@225,-985 180,-940 180,-865 278.46,-766.54 Cfadc9.1@300,-766.54 ; 361.46,-305.03 370.43,-296.06 ; J_lcd_zif.16@440.01,-366.53 440.01,-296.06 ; STM32.74@650.83,-1777.68 695.12,-1777.68 729.57,-1812.13 767.13,-1812.13 C50.1@820,-1865 ; 656.02,-321.65 630.43,-296.06 440.01,-296.06 ; Cdtac1.1@949.57,-807.13 969.41,-787.28 U_tactile.10@969.41,-756.18 ; U_tactile.3@969.41,-638.07 969.41,-612.28 1004.57,-577.13 1004.57,-507.13 Cdtac0.1@1029.57,-482.13 ; 370.43,-296.06 440.01,-296.06
  4-BOT w25: U2.10@-605.43,-1015.79 -549.29,-1015.79 -499.57,-966.06 QXbee.2@-499.57,-771.06 ; Cd4.1@803.03,-1278.46 Cd4.1@803.03,-1272.13 Cd1.1@803.03,-1192.13 ; P_GND.1@925.43,-2176.06 1009.57,-2091.93 v1(1009.57,-1987.13) ; Ureg_3V.2@1009.57,-1984.57 Ureg_3V.2@1009.57,-1976.3 Ureg_3V.4@1009.57,-1747.95 ; Ureg_3V.4@1050,-1725 1127.09,-1647.91 RpdLaser.1@1127.09,-1640 ; Q?.2@1092.6,-1482.6 1292.6,-1482.6 1350,-1540 1350,-2115 1390,-2155 Cp2.1@1390,-2445
  other v1: 1124.57,-2937.13 179.57,-2932.13 -170.43,-2927.13 -640.43,-2842.13 39.57,-2837.13 -165,-2830 230,-2770 -1200.43,-2707.13 -1015.43,-2702.13 1044.57,-2702.13 1469.57,-2617.13 984.57,-2572.13 -970.43,-2552.13 914.57,-2502.13 589.57,-2492.13 1099.57,-2457.13 -490.43,-2452.13 -1305,-2445 -1205,-2445 1164.57,-2407.13 474.57,-2402.13 349.57,-2397.13 1364.57,-2387.13 1019.57,-2357.13 260,-2335 -1460.43,-2322.13 919.57,-2322.13 1460,-2320 -50,-2295 604.57,-2292.13 -1040.43,-2252.13 -555.43,-2247.13 924.57,-2242.13 125,-2210 -350.43,-2207.13 1415,-2195 924.57,-2172.13 630,-2050 1009.57,-2032.13 -1060.43,-2022.13 -245.43,-1987.13 134.57,-1987.13 640,-1970 1009.57,-1942.13 -520.43,-1937.13 -1460,-1910 -815,-1900 -360.43,-1892.13 1010,-1890 9.57,-1882.13 1050,-1865 1330,-1860 1010,-1840 1019.57,-1797.13 -450,-1785 1050,-1770 199.57,-1732.13 429.57,-1732.13 539.57,-1732.13 309.57,-1727.13 -1120,-1695 1374.57,-1692.13 144.57,-1667.13 259.57,-1662.13 374.57,-1657.13 489.57,-1652.13 -560,-1650 -980,-1605 -650.43,-1597.13 -460,-1595 204.57,-1592.13 319.57,-1587.13 434.57,-1582.13 554.57,-1577.13 149.57,-1527.13 269.57,-1522.13 379.57,-1517.13 489.57,-1517.13 -99.57,-1491.06 209.57,-1452.13 319.57,-1452.13 429.57,-1452.13 554.57,-1452.13 -80.43,-1427.13 -650.43,-1407.13 169.57,-1377.13 264.57,-1377.13 369.57,-1377.13 479.57,-1377.13 -460,-1355 1205,-1350 -985,-1295 1330,-1290 1469.57,-1262.13 1010,-1260 1005,-1215 -635.43,-1202.13 804.57,-1177.13 -1470.43,-1137.13 1070,-1125 644.57,-1097.13 1214.57,-1097.13 700,-1090 1350,-1085 54.57,-1082.13 1059.57,-1047.13 -5.43,-1037.13 240,-1030 -410.43,-1017.13 1015,-1010 -479.57,-986.06 -1055.43,-962.13 805,-880 1209.57,-832.13 -1275.43,-717.13 770,-715 960,-700 -120.43,-692.13 -905.43,-672.13 -290.43,-617.13 1324.57,-587.13 520,-580 -135,-565 -520.43,-562.13 -395.43,-512.13 849.57,-467.13 754.57,-457.13 -100.43,-382.13 -415.43,-362.13 -1340,-315 -940,-315 629.57,-282.13 154.57,-277.13 1084.57,-277.13 419.57,-272.13 524.57,-252.13 294.57,-247.13 779.57,-247.13 -365.43,-237.13 -425.43,-137.13 259.57,-127.13 504.57,-107.13
LED_A: J_lcd_zif.3 J_lcd_zif.4 Reg_20mA.2 | length 460.2
  4-BOT w10: J_lcd_zif.4@675.66,-383.01 Reg_20mA.2@675.66,-151.29
  4-BOT w12: Reg_20mA.2@675.43,-151.06 Reg_20mA.2@675.66,-151.29 ; J_lcd_zif.3@695.29,-384.38 Reg_20mA.2@695.29,-156.2
LED_K: J_lcd_zif.1 J_lcd_zif.2 StLedK.1 | length 2387.7
  2-SIGNAL w25: v1(734.57,-367.13) 986.5,-367.13 1120.43,-501.06 1120.43,-2050.43 1235,-2165 v1@1235,-2400
  other v1: 1234.57,-2397.13
NetBP_rfu_3: BP_rfu.3 RpuBP.1 RsBP.1 | length 894.4
  2-SIGNAL w20: v1@-759.57,-2476.06 -759.57,-2706.06 -724.57,-2741.06 -463.94,-2741.06 BP_rfu.3@-282.5,-2922.5
  4-BOT w20: RsBP.1@-752.52,-2465.04 RsBP.1@-752.52,-2462.13 -752.52,-2427.52 RpuBP.1@-710,-2385
  other v1: -760.43,-2482.13